# Altium PCB spd150.PcbDoc (part 3 of 15)
Units mil, origin at the board's own origin, x right, y up, seen from the top; angles counter-clockwise.
Board outline 8557 x 5807 mil, 10 copper layers (TOP, LYR2-PLN, LYR3-SIG, LYR4-SIG, LYR5-PLN, LYR6-PLN, LYR7-SIG, LYR8-SIG, LYR9-PLN, BOTTOM), stack 84 mil thick; 1065 components, 972 nets, 4226 pads, 2810 vias.
Unrouted connection lines stored in the file: 16.
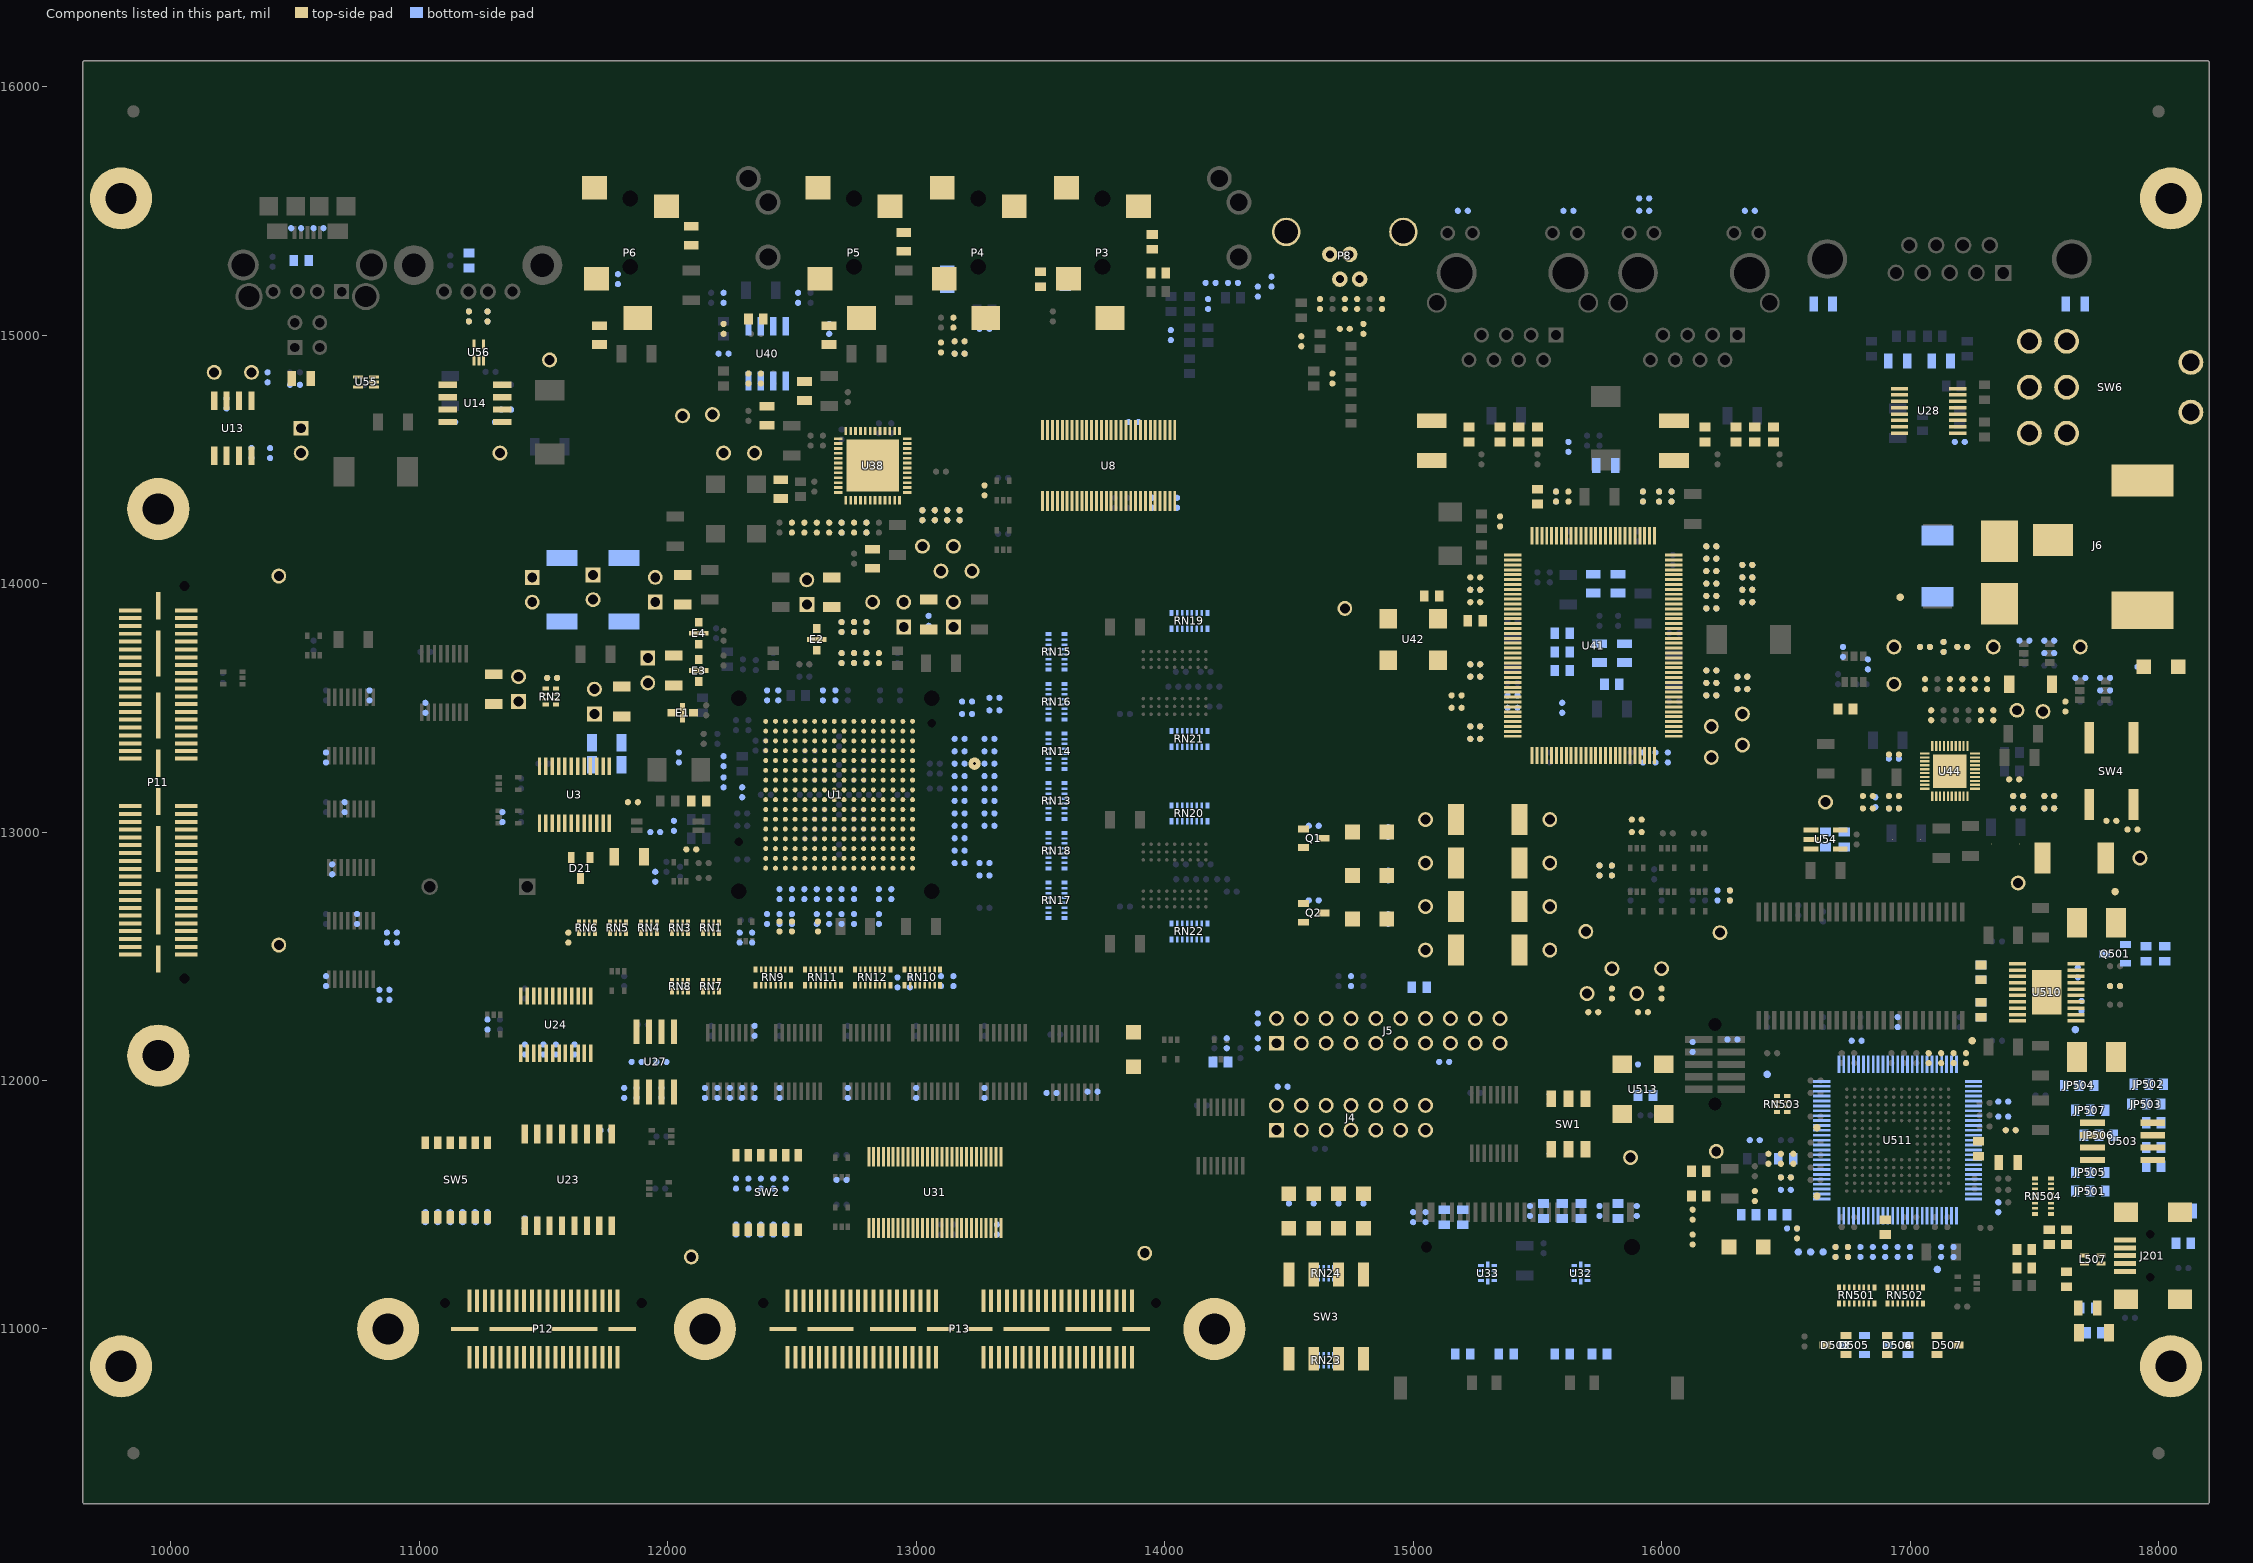
[diagram p11: the components of this part, seen from the top]

## Footprints (in the part's own frame and the unit in brackets; to place one, negate y for a bottom-side part, rotate by r counter-clockwise, add the part's x,y. Pads: shape width x height; smd on the part's side, far side on the other; paste and mask are expansions set on the pad) (continued)
DGG56-12X80 [mil] "DGG56-12X80"
  rrect0% 12x80 smd: 1(-265.7,-143) 2(-246,-143) 3(-226.3,-143) 4(-206.6,-143) 5(-187,-143) 6(-167.3,-143) 7(-147.6,-143) 8(-127.9,-143) 9(-108.2,-143) 10(-88.6,-143) 11(-68.9,-143) 12(-49.2,-143) 13(-29.5,-143) 14(-9.8,-143) 15(9.8,-143) 16(29.5,-143) 17(49.2,-143) 18(68.9,-143) 19(88.6,-143) 20(108.2,-143) 21(127.9,-143) 22(147.6,-143) 23(167.3,-143) 24(187,-143) 25(206.6,-143) 26(226.3,-143) 27(246,-143) 28(265.7,-143) 29(265.7,143) 30(246,143) 31(226.3,143) 32(206.6,143) 33(187,143) 34(167.3,143) 35(147.6,143) 36(127.9,143) 37(108.2,143) 38(88.6,143) 39(68.9,143) 40(49.2,143) 41(29.5,143) 42(9.8,143) 43(-9.8,143) 44(-29.5,143) 45(-49.2,143) 46(-68.9,143) 47(-88.6,143) 48(-108.2,143) 49(-127.9,143) 50(-147.6,143) 51(-167.3,143) 52(-187,143) 53(-206.6,143) 54(-226.3,143) 55(-246,143) 56(-265.7,143)
  silkscreen extent -280,-122 280,122
DO214AA-79X110 [mil] "DO214AA-79X110"
  rect 80x120 smd: 1(-79,0) 2(79,0)
  silkscreen extent -140,-145 140,80
DRL5-12X40 [mil] "DRL5-12X40"
  rect 12x40 smd: 1(-19.7,-32) 2(0,-32) 3(19.7,-32) 4(19.7,32) 5(-19.7,32)
  silkscreen extent -14812,-80 39,10786
EIA1812#1 [mil] "EIA1812"
  rect 120x60 smd: 1(0,-80) 2(0,80)
  TOP keep-out region: -50,40 50,40 50,-40 -50,-40 -50,40 15075,14575
  silkscreen extent -40,-20 40,20
EIA1812#2 [mil] "EIA1812"
  rect 120x60 smd: 1(0,-80) 2(0,80)
  TOP keep-out region: -50,40 50,40 50,-40 -50,-40 -50,40 16050,14575
  silkscreen extent -40,-20 40,20
EMI-36X15-DLW21 [mil] "EMI-36X15-DLW21"
  rect 36x15 smd: 1(-33,16) 2(33,16) 3(33,-16) 4(-33,-16)
  silkscreen extent -60,-35 60,35
EMI-BLM31P-40X70 [mil] "EMI-BLM31P-40X70"
  rect 40x70 smd: 1(60,0) 2(-60,0)
  Multi-Layer keep-out region: 35,-35 -35,-35 -35,35 35,35 35,-35 -11755,13360
  silkscreen extent -15,-30 15,30
EMI-NFM21P [mil] "EMI-NFM21P"
  rect 35x32 smd: 1(-44,0) 3(44,0)
  rect 20x79 smd: 2(0,0)
  silkscreen extent -65,-30 65,30
FB1806-41X70 [mil] "FB1806-41X70"
  rect 41x70 smd: 1(-85.5,0.5) 2(86.5,0.5)
  Multi-Layer keep-out region: -34.5,35.5 35.5,35.5 35.5,-34.5 -34.5,-34.5 -34.5,35.5 -17484.5,-13594.5
  silkscreen extent -90,-32 90,32
FUSEFOLDER-OMNI-BLOK [mil] "FUSEFOLDER-OMNI-BLOK"
  rect 167x150 smd: 1(-126,0) 2(126,0)
  Multi-Layer keep-out region: -35,90 35,90 35,-90 -35,-90 -35,90 14045,-17360
  silkscreen extent -192,-100 192,100
IND_VLCF [mil] "IND_VLCF"
  oct 1x1 smd: 1(-57.5,0) 2(57.5,0)
  silkscreen extent -80,-80 80,80
JUMP1X2-6040 [mil] "JUMP1X2-6040"
  rect 60x60 hole 40: 1(0,50)
  round 60 hole 40: 2(0,-50)
  silkscreen extent -50,-100 50,100
JUMP2X7-6040 [mil] "JUMP2X7-6040"
  rect 60x60 hole 40: 1(-50,300)
  round 60 hole 40: 2(50,300) 3(-50,200) 4(50,200) 5(-50,100) 6(50,100) 7(-50,0) 8(50,0) 9(-50,-100) 10(50,-100) 11(-50,-200) 12(50,-200) 13(-50,-300) 14(50,-300)
  silkscreen extent -100,-350 100,350
JUMP2X10-6040 [mil] "JUMP2X10-6040"
  rect 60x60 hole 40: 1(-50,450)
  round 60 hole 40: 2(50,450) 3(-50,350) 4(50,350) 5(-50,250) 6(50,250) 7(-50,150) 8(50,150) 9(-50,50) 10(50,50) 11(-50,-50) 12(50,-50) 13(-50,-150) 14(50,-150) 15(-50,-250) 16(50,-250) 17(-50,-350) 18(50,-350) 19(-50,-450) 20(50,-450)
  silkscreen extent -100,-500 100,500
JUMP3-603-35X45#1 [mil] "JUMP3-603-35X45"
  rrect0% 35x45 smd: 1(30,0) 2(-30,0) 3(-90,0)
  TOP keep-out region: -50,-20 -70,-20 -70,20 -50,20 -50,-20 -17755,11555
  TOP keep-out region: 10,-20 -10,-20 -10,20 10,20 10,-20 -17755,11555
  Multi-Layer keep-out region: 30,-25 -90,-25 -90,25 30,25 30,-25 -17755,11555
  silkscreen extent -67,-7 7,7
JUMP3-603-35X45#2 [mil] "JUMP3-603-35X45"
  rrect0% 35x45 smd: 1(30,0) 2(-30,0) 3(-90,0)
  TOP keep-out region: -50,-20 -70,-20 -70,20 -50,20 -50,-20 17650,-11980
  TOP keep-out region: 10,-20 -10,-20 -10,20 10,20 10,-20 17650,-11980
  Multi-Layer keep-out region: 30,-25 -90,-25 -90,25 30,25 30,-25 17650,-11980
  silkscreen extent -67,-7 7,7
L603-35X45#1 [mil] "L603-35X45"
  rrect0% 35x45 smd: 1(-30,0) 2(30,0)
  TOP keep-out region: -10,20 10,20 10,-20 -10,-20 -10,20 -16150,-11535
  Multi-Layer keep-out region: -30,25 30,25 30,-25 -30,-25 -30,25 -16150,-11535
  silkscreen extent -7,-7 7,7
L603-35X45#2 [mil] "L603-35X45"
  rrect0% 35x45 smd: 1(30,0) 2(-30,0)
  TOP keep-out region: 10,-20 -10,-20 -10,20 10,20 10,-20 15935,-11940
  Multi-Layer keep-out region: 30,-25 -30,-25 -30,25 30,25 30,-25 15935,-11940
  silkscreen extent -7,-7 7,7
L805-35X60#1 [mil] "L805-35X60"
  rrect0% 35x60 smd: 1(-38,0) 2(38,0)
  TOP keep-out region: -15,25 15,25 15,-25 -15,-25 -15,25 10525,14825
  Multi-Layer keep-out region: -35,30 35,30 35,-30 -35,-30 -35,30 10525,14825
  silkscreen extent -10,-10 10,10
L805-35X60#2 [mil] "L805-35X60"
  rrect0% 35x60 smd: 1(38,0) 2(-38,0)
  TOP keep-out region: 15,-25 -15,-25 -15,25 15,25 15,-25 16650,-15125
  Multi-Layer keep-out region: 35,-30 -35,-30 -35,30 35,30 35,-30 16650,-15125
  silkscreen extent -10,-10 10,10
L805-35X60#3 [mil] "L805-35X60"
  rrect0% 35x60 smd: 1(38,0) 2(-38,0)
  TOP keep-out region: 15,-25 -15,-25 -15,25 15,25 15,-25 16950,-14895
  Multi-Layer keep-out region: 35,-30 -35,-30 -35,30 35,30 35,-30 16950,-14895
  silkscreen extent -10,-10 10,10
L805-35X60#4 [mil] "L805-35X60"
  rrect0% 35x60 smd: 1(38,0) 2(-38,0)
  TOP keep-out region: 15,-25 -15,-25 -15,25 15,25 15,-25 -17125,14895
  Multi-Layer keep-out region: 35,-30 -35,-30 -35,30 35,30 35,-30 -17125,14895
  silkscreen extent -10,-10 10,10
L805-35X60#5 [mil] "L805-35X60"
  rrect0% 35x60 smd: 1(-38,0) 2(38,0)
  TOP keep-out region: -15,25 15,25 15,-25 -15,-25 -15,25 -14100,12825
  Multi-Layer keep-out region: -35,30 35,30 35,-30 -35,-30 -35,30 -14100,12825
  silkscreen extent -10,-10 10,10
L805-35X60#6 [mil] "L805-35X60"
  rrect0% 35x60 smd: 1(-38,0) 2(38,0)
  TOP keep-out region: -15,25 15,25 15,-25 -15,-25 -15,25 14380,-12455
  Multi-Layer keep-out region: -35,30 35,30 35,-30 -35,-30 -35,30 14380,-12455
  silkscreen extent -10,-10 10,10
L805-35X60#7 [mil] "L805-35X60"
  rrect0% 35x60 smd: 1(38,0) 2(-38,0)
  TOP keep-out region: 15,-25 -15,-25 -15,25 15,25 15,-25 14000,15725
  Multi-Layer keep-out region: 35,-30 -35,-30 -35,30 35,30 35,-30 14000,15725
  silkscreen extent -10,-10 10,10
L805-35X60#8 [mil] "L805-35X60"
  rrect0% 35x60 smd: 1(-38,0) 2(38,0)
  TOP keep-out region: -15,25 15,25 15,-25 -15,-25 -15,25 17395,11670
  Multi-Layer keep-out region: -35,30 35,30 35,-30 -35,-30 -35,30 17395,11670
  silkscreen extent -10,-10 10,10
L805-35X60#9 [mil] "L805-35X60"
  rrect0% 35x60 smd: 1(38,0) 2(-38,0)
  TOP keep-out region: 15,-25 -15,-25 -15,25 15,25 15,-25 18100,-11475
  Multi-Layer keep-out region: 35,-30 -35,-30 -35,30 35,30 35,-30 18100,-11475
  silkscreen extent -10,-10 10,10
LED1206-59X59#1 [mil] "LED1206-59X59"
  rect 59x59 smd: 1(-69,0) 2(69,0)
  Multi-Layer keep-out region: -35,35 35,35 35,-35 -35,-35 -35,35 -11475,14500
  silkscreen extent -155,-35 25,35
LED1206-59X59#2 [mil] "LED1206-59X59"
  rect 59x59 smd: 1(-69,0) 2(69,0)
  Multi-Layer keep-out region: -35,35 35,35 35,-35 -35,-35 -35,35 12125,-13875
  silkscreen extent -155,-35 25,35
LED1206-59X59#3 [mil] "LED1206-59X59"
  rect 59x59 smd: 1(-69,0) 2(69,0)
  Multi-Layer keep-out region: -35,35 35,35 35,-35 -35,-35 -35,35 18010,13665
  silkscreen extent -90,-35 25,110
MELF1206-40X70 [mil] "MELF1206-40X70"
  rect 40x70 smd: 1(-60,0) 2(60,0)
  Multi-Layer keep-out region: -35,35 35,35 35,-35 -35,-35 -35,35 17740,10985
  silkscreen extent -25,-25 25,25
MHP125-250 [mil] "MHP125-250"
  round 250 hole 125: 1(0,0)
MOLEX-52018 [mil] "MOLEX-52018"
  round 62 hole 32: 1(-60,216) 2(-20,116) 3(20,216) 4(60,116)
  round 115 hole 95: 5(-236,26) 6(236,26)
  silkscreen extent -240,-256 240,256
OSC4-71X79 [mil] "OSC4-71X79"
  rect 71x79 smd: 1(-100,-83) 2(100,-83) 3(100,83) 4(-100,83)
  TOP keep-out region: -150,100 -50,100 -50,125 50,125 50,100 150,100 150,-100 50,-100 50,-125 -50,-125 -50,-100 -150,-100 -150,100 -15000,-13775
  silkscreen extent -150,-102 150,102
PQFP128REC-12X70 [mil] "PQFP128REC-12X70"
  rrect0% 12x70 smd: 1(-362,-324) 2(-342.3,-324) 3(-322.6,-324) 4(-302.9,-324) 5(-283.2,-324) 6(-263.5,-324) 7(-243.8,-324) 8(-224.1,-324) 9(-204.4,-324) 10(-184.7,-324) 11(-165,-324) 12(-145.3,-324) 13(-125.6,-324) 14(-105.9,-324) 15(-86.2,-324) 16(-66.5,-324) 17(-46.8,-324) 18(-27.1,-324) 19(-7.4,-324) 20(12.4,-324) 21(32.1,-324) 22(51.8,-324) 23(71.5,-324) 24(91.2,-324) 25(110.9,-324) 26(130.6,-324) 27(150.3,-324) 28(170,-324) 29(189.7,-324) 30(209.4,-324) 31(229.1,-324) 32(248.8,-324) 33(268.5,-324) 34(288.2,-324) 35(307.9,-324) 36(327.6,-324) 37(347.3,-324) 38(367,-324) 65(367,324) 66(347.3,324) 67(327.6,324) 68(307.9,324) 69(288.2,324) 70(268.5,324) 71(248.8,324) 72(229.1,324) 73(209.4,324) 74(189.7,324) 75(170,324) 76(150.3,324) 77(130.6,324) 78(110.9,324) 79(91.2,324) 80(71.5,324) 81(51.8,324) 82(32.1,324) 83(12.4,324) 84(-7.4,324) 85(-27.1,324) 86(-46.8,324) 87(-66.5,324) 88(-86.2,324) 89(-105.9,324) 90(-125.6,324) 91(-145.3,324) 92(-165,324) 93(-184.7,324) 94(-204.4,324) 95(-224.1,324) 96(-243.8,324) 97(-263.5,324) 98(-283.2,324) 99(-302.9,324) 100(-322.6,324) 101(-342.3,324) 102(-362,324)
  rrect0% 70x12 smd: 39(444.5,-246.3) 40(444.5,-226.6) 41(444.5,-206.9) 42(444.5,-187.2) 43(444.5,-167.5) 44(444.5,-147.8) 45(444.5,-128.1) 46(444.5,-108.4) 47(444.5,-88.7) 48(444.5,-69) 49(444.5,-49.3) 50(444.5,-29.6) 51(444.5,-9.9) 52(444.5,9.9) 53(444.5,29.6) 54(444.5,49.3) 55(444.5,69) 56(444.5,88.7) 57(444.5,108.4) 58(444.5,128.1) 59(444.5,147.8) 60(444.5,167.5) 61(444.5,187.2) 62(444.5,206.9) 63(444.5,226.6) 64(444.5,246.3) 103(-439.5,246.3) 104(-439.5,226.6) 105(-439.5,206.9) 106(-439.5,187.2) 107(-439.5,167.5) 108(-439.5,147.8) 109(-439.5,128.1) 110(-439.5,108.4) 111(-439.5,88.7) 112(-439.5,69) 113(-439.5,49.3) 114(-439.5,29.6) 115(-439.5,9.9) 116(-439.5,-9.9) 117(-439.5,-29.6) 118(-439.5,-49.3) 119(-439.5,-69) 120(-439.5,-88.7) 121(-439.5,-108.4) 122(-439.5,-128.1) 123(-439.5,-147.8) 124(-439.5,-167.5) 125(-439.5,-187.2) 126(-439.5,-206.9) 127(-439.5,-226.6) 128(-439.5,-246.3)
  silkscreen extent -392,-276 396,276
PW16-14X70 [mil] "PW16-14X70"
  rrect0% 14x70 smd: 1(-89.6,-117.6) 2(-64,-117.6) 3(-38.4,-117.6) 4(-12.8,-117.6) 5(12.8,-117.6) 6(38.4,-117.6) 7(64,-117.6) 8(89.6,-117.6) 9(89.6,117.6) 10(64,117.6) 11(38.4,117.6) 12(12.8,117.6) 13(-12.8,117.6) 14(-38.4,117.6) 15(-64,117.6) 16(-89.6,117.6)
  silkscreen extent -105,-90 105,90
PW24-14X70 [mil] "PW24-14X70"
  rrect0% 14x70 smd: 1(-140.8,-115) 2(-115.2,-115) 3(-89.6,-115) 4(-64,-115) 5(-38.4,-115) 6(-12.8,-115) 7(12.8,-115) 8(38.4,-115) 9(64,-115) 10(89.6,-115) 11(115.2,-115) 12(140.8,-115) 13(140.8,115) 14(115.2,115) 15(89.6,115) 16(64,115) 17(38.4,115) 18(12.8,115) 19(-12.8,115) 20(-38.4,115) 21(-64,115) 22(-89.6,115) 23(-115.2,115) 24(-140.8,115)
  silkscreen extent -160,-90 160,90
PWP20-14X70-PAD [mil] "PWP20-14X70-PAD"
  rrect0% 14x70 smd: 1(-114.7,-117.6) 2(-89.1,-117.6) 3(-63.5,-117.6) 4(-37.9,-117.6) 5(-12.3,-117.6) 6(13.3,-117.6) 7(38.9,-117.6) 8(64.5,-117.6) 9(90.1,-117.6) 10(115.7,-117.6) 11(115.7,117.6) 12(90.1,117.6) 13(64.5,117.6) 14(38.9,117.6) 15(13.3,117.6) 16(-12.3,117.6) 17(-37.9,117.6) 18(-63.5,117.6) 19(-89.1,117.6) 20(-114.7,117.6)
  rect 180x120 smd: 21(0.5,0)
  silkscreen extent -130,-90 130,90
PWR3-RASM712 [mil] "PWR3-RASM712"
  rect 130x160 smd: CENTER(26.5,268)
  rect 150x250 smd: SHUNT(-256.5,-92)
  rect 130x250 smd: SLEEVE(266.5,-92)
  silkscreen extent -178,-358 172,183
QSE_020 [mil] "QSE_020"
  rect 16x90 smd: 1(300.5,110.5) 2(300.5,-115.5) 3(269.5,110.5) 4(269.5,-115.5) 5(237.5,110.5) 6(237.5,-115.5) 7(206.5,110.5) 8(206.5,-115.5) 9(174.5,110.5) 10(174.5,-115.5) 11(143.5,110.5) 12(143.5,-115.5) 13(111.5,110.5) 14(111.5,-115.5) 15(80.5,110.5) 16(80.5,-115.5) 17(48.5,110.5) 18(48.5,-115.5) 19(17.5,110.5) 20(17.5,-115.5) 21(-13.5,110.5) 22(-13.5,-115.5) 23(-45.5,110.5) 24(-45.5,-115.5) 25(-76.5,110.5) 26(-76.5,-115.5) 27(-108.5,110.5) 28(-108.5,-115.5) 29(-139.5,110.5) 30(-139.5,-115.5) 31(-171.5,110.5) 32(-171.5,-115.5) 33(-202.5,110.5) 34(-202.5,-115.5) 35(-234.5,110.5) 36(-234.5,-115.5) 37(-265.5,110.5) 38(-265.5,-115.5) 39(-296.5,110.5) 40(-296.5,-115.5)
  rect 110x17 smd: 41(-314.5,-2.5) 44(319.5,-2.5)
  rect 185x17 smd: 42(-122.5,-2.5) 43(127.5,-2.5)
  round 20 / inner round 80 / far side round 20 hole 41: " "(-393.5,-107.5) " "(398.5,-107.5)
  silkscreen extent -418,-148 422,143
QSE_040 [mil] "QSE_040"
  rect 16x90 smd: 1(694.5,110.5) 2(694.5,-115.5) 3(663.5,110.5) 4(663.5,-115.5) 5(631.5,110.5) 6(631.5,-115.5) 7(600.5,110.5) 8(600.5,-115.5) 9(568.5,110.5) 10(568.5,-115.5) 11(537.5,110.5) 12(537.5,-115.5) 13(505.5,110.5) 14(505.5,-115.5) 15(474.5,110.5) 16(474.5,-115.5) 17(442.5,110.5) 18(442.5,-115.5) 19(411.5,110.5) 20(411.5,-115.5) 21(380.5,110.5) 22(380.5,-115.5) 23(348.5,110.5) 24(348.5,-115.5) 25(317.5,110.5) 26(317.5,-115.5) 27(285.5,110.5) 28(285.5,-115.5) 29(254.5,110.5) 30(254.5,-115.5) 31(222.5,110.5) 32(222.5,-115.5) 33(191.5,110.5) 34(191.5,-115.5) 35(159.5,110.5) 36(159.5,-115.5) 37(128.5,110.5) 38(128.5,-115.5) 39(97.5,110.5) 40(97.5,-115.5) 41(-93.5,110.5) 42(-93.5,-115.5) 43(-124.5,110.5) 44(-124.5,-115.5) 45(-156.5,110.5) 46(-156.5,-115.5) 47(-187.5,110.5) 48(-187.5,-115.5) 49(-219.5,110.5) 50(-219.5,-115.5) 51(-250.5,110.5) 52(-250.5,-115.5) 53(-282.5,110.5) 54(-282.5,-115.5) 55(-313.5,110.5) 56(-313.5,-115.5) 57(-345.5,110.5) 58(-345.5,-115.5) 59(-376.5,110.5) 60(-376.5,-115.5) 61(-407.5,110.5) 62(-407.5,-115.5) 63(-439.5,110.5) 64(-439.5,-115.5) 65(-470.5,110.5) 66(-470.5,-115.5) 67(-502.5,110.5) 68(-502.5,-115.5) 69(-533.5,110.5) 70(-533.5,-115.5) 71(-565.5,110.5) 72(-565.5,-115.5) 73(-596.5,110.5) 74(-596.5,-115.5) 75(-628.5,110.5) 76(-628.5,-115.5) 77(-659.5,110.5) 78(-659.5,-115.5) 79(-690.5,110.5) 80(-690.5,-115.5)
  rect 110x17 smd: 81(-708.5,-2.5) 84(-74.5,-2.5) 85(79.5,-2.5) 88(713.5,-2.5)
  rect 185x17 smd: 82(-516.5,-2.5) 83(-266.5,-2.5) 86(271.5,-2.5) 87(521.5,-2.5)
  round 20 / inner round 75 / far side round 20 hole 41: 89(792.5,-107.5) 90(-787.5,-107.5)
  silkscreen extent -810,-145 814,140
R402-25#1 [mil] "R402-25"
  round 25 smd: 1(-20,0) 2(20,0)
  TOP keep-out region: -5,-10 -5,10 5,10 5,-10 -5,-10 -11860,-13120
  silkscreen extent -4,-4 4,4
R402-25#2 [mil] "R402-25"
  round 25 smd: 1(20,0) 2(-20,0)
  TOP keep-out region: 5,10 5,-10 -5,-10 -5,10 5,10 -11535,13620
  silkscreen extent -4,-4 4,4
R402-25#3 [mil] "R402-25"
  round 25 smd: 1(-20,0) 2(20,0)
  TOP keep-out region: -5,-10 -5,10 5,10 5,-10 -5,-10 13825,-12800
  silkscreen extent -4,-4 4,4
R402-25#4 [mil] "R402-25"
  round 25 smd: 1(-20,0) 2(20,0)
  TOP keep-out region: -5,-10 -5,10 5,10 5,-10 -5,-10 13700,-12750
  silkscreen extent -4,-4 4,4
R402-25#5 [mil] "R402-25"
  round 25 smd: 1(20,0) 2(-20,0)
  TOP keep-out region: 5,10 5,-10 -5,-10 -5,10 5,10 13500,11025
  silkscreen extent -4,-4 4,4
R402-25#6 [mil] "R402-25"
  round 25 smd: 1(20,0) 2(-20,0)
  TOP keep-out region: 5,10 5,-10 -5,-10 -5,10 5,10 14325,14050
  silkscreen extent -4,-4 4,4
R402-25#7 [mil] "R402-25"
  round 25 smd: 1(20,0) 2(-20,0)
  TOP keep-out region: 5,10 5,-10 -5,-10 -5,10 5,10 12650,12600
  silkscreen extent -4,-4 4,4
R402-25#8 [mil] "R402-25"
  round 25 smd: 1(20,0) 2(-20,0)
  TOP keep-out region: 5,10 5,-10 -5,-10 -5,10 5,10 12750,12600
  silkscreen extent -4,-4 4,4
R402-25#9 [mil] "R402-25"
  round 25 smd: 1(-20,0) 2(20,0)
  TOP keep-out region: -5,-10 -5,10 5,10 5,-10 -5,-10 12620,-12605
  silkscreen extent -4,-4 4,4
R402-25#10 [mil] "R402-25"
  round 25 smd: 1(20,0) 2(-20,0)
  TOP keep-out region: 5,10 5,-10 -5,-10 -5,10 5,10 13550,12625
  silkscreen extent -4,-4 4,4
R402-25#11 [mil] "R402-25"
  round 25 smd: 1(20,0) 2(-20,0)
  TOP keep-out region: 5,10 5,-10 -5,-10 -5,10 5,10 10890,-12595
  silkscreen extent -4,-4 4,4
R402-25#12 [mil] "R402-25"
  round 25 smd: 1(20,0) 2(-20,0)
  TOP keep-out region: 5,10 5,-10 -5,-10 -5,10 5,10 10860,-12365
  silkscreen extent -4,-4 4,4
R402-25#13 [mil] "R402-25"
  round 25 smd: 1(20,0) 2(-20,0)
  TOP keep-out region: 5,10 5,-10 -5,-10 -5,10 5,10 13300,10625
  silkscreen extent -4,-4 4,4
R402-25#14 [mil] "R402-25"
  round 25 smd: 1(20,0) 2(-20,0)
  TOP keep-out region: 5,10 5,-10 -5,-10 -5,10 5,10 11950,12150
  silkscreen extent -4,-4 4,4
R402-25#15 [mil] "R402-25"
  round 25 smd: 1(20,0) 2(-20,0)
  TOP keep-out region: 5,10 5,-10 -5,-10 -5,10 5,10 12400,10625
  silkscreen extent -4,-4 4,4
R402-25#16 [mil] "R402-25"
  round 25 smd: 1(20,0) 2(-20,0)
  TOP keep-out region: 5,10 5,-10 -5,-10 -5,10 5,10 12850,10650
  silkscreen extent -4,-4 4,4
R402-25#17 [mil] "R402-25"
  round 25 smd: 1(20,0) 2(-20,0)
  TOP keep-out region: 5,10 5,-10 -5,-10 -5,10 5,10 10500,-14800
  silkscreen extent -4,-4 4,4
R402-25#18 [mil] "R402-25"
  round 25 smd: 1(20,0) 2(-20,0)
  TOP keep-out region: 5,10 5,-10 -5,-10 -5,10 5,10 14830,10390
  silkscreen extent -4,-4 4,4
R402-25#19 [mil] "R402-25"
  round 25 smd: 1(20,0) 2(-20,0)
  TOP keep-out region: 5,10 5,-10 -5,-10 -5,10 5,10 14525,10325
  silkscreen extent -4,-4 4,4
R402-25#20 [mil] "R402-25"
  round 25 smd: 1(20,0) 2(-20,0)
  TOP keep-out region: 5,10 5,-10 -5,-10 -5,10 5,10 11350,-14700
  silkscreen extent -4,-4 4,4
R402-25#21 [mil] "R402-25"
  round 25 smd: 1(20,0) 2(-20,0)
  TOP keep-out region: 5,10 5,-10 -5,-10 -5,10 5,10 11325,-14650
  silkscreen extent -4,-4 4,4
R402-25#22 [mil] "R402-25"
  round 25 smd: 1(20,0) 2(-20,0)
  TOP keep-out region: 5,10 5,-10 -5,-10 -5,10 5,10 12575,12340
  silkscreen extent -4,-4 4,4
R402-25#23 [mil] "R402-25"
  round 25 smd: 1(20,0) 2(-20,0)
  TOP keep-out region: 5,10 5,-10 -5,-10 -5,10 5,10 13175,-12975
  silkscreen extent -4,-4 4,4
R402-25#24 [mil] "R402-25"
  round 25 smd: 1(20,0) 2(-20,0)
  TOP keep-out region: 5,10 5,-10 -5,-10 -5,10 5,10 13275,-12875
  silkscreen extent -4,-4 4,4
R402-25#25 [mil] "R402-25"
  round 25 smd: 1(-20,0) 2(20,0)
  TOP keep-out region: -5,-10 -5,10 5,10 5,-10 -5,-10 12745,-16275
  silkscreen extent -4,-4 4,4
R402-25#26 [mil] "R402-25"
  round 25 smd: 1(20,0) 2(-20,0)
  TOP keep-out region: 5,10 5,-10 -5,-10 -5,10 5,10 11925,15550
  silkscreen extent -4,-4 4,4
R402-25#27 [mil] "R402-25"
  round 25 smd: 1(-20,0) 2(20,0)
  TOP keep-out region: -5,-10 -5,10 5,10 5,-10 -5,-10 12095,12930
  silkscreen extent -4,-4 4,4
R402-25#28 [mil] "R402-25"
  round 25 smd: 1(20,0) 2(-20,0)
  TOP keep-out region: 5,10 5,-10 -5,-10 -5,10 5,10 11725,15700
  silkscreen extent -4,-4 4,4
R402-25#29 [mil] "R402-25"
  round 25 smd: 1(20,0) 2(-20,0)
  TOP keep-out region: 5,10 5,-10 -5,-10 -5,10 5,10 11585,12475
  silkscreen extent -4,-4 4,4
R402-25#30 [mil] "R402-25"
  round 25 smd: 1(20,0) 2(-20,0)
  TOP keep-out region: 5,10 5,-10 -5,-10 -5,10 5,10 11400,12475
  silkscreen extent -4,-4 4,4
R402-25#31 [mil] "R402-25"
  round 25 smd: 1(20,0) 2(-20,0)
  TOP keep-out region: 5,10 5,-10 -5,-10 -5,10 5,10 11750,-11800
  silkscreen extent -4,-4 4,4
R402-25#32 [mil] "R402-25"
  round 25 smd: 1(20,0) 2(-20,0)
  TOP keep-out region: 5,10 5,-10 -5,-10 -5,10 5,10 12125,11425
  silkscreen extent -4,-4 4,4
R402-25#33 [mil] "R402-25"
  round 25 smd: 1(20,0) 2(-20,0)
  TOP keep-out region: 5,10 5,-10 -5,-10 -5,10 5,10 11525,14500
  silkscreen extent -4,-4 4,4
R402-25#34 [mil] "R402-25"
  round 25 smd: 1(-20,0) 2(20,0)
  TOP keep-out region: -5,-10 -5,10 5,10 5,-10 -5,-10 11360,-16125
  silkscreen extent -4,-4 4,4
R402-25#35 [mil] "R402-25"
  round 25 smd: 1(20,0) 2(-20,0)
  TOP keep-out region: 5,10 5,-10 -5,-10 -5,10 5,10 17200,-14570
  silkscreen extent -4,-4 4,4
R402-25#36 [mil] "R402-25"
  round 25 smd: 1(20,0) 2(-20,0)
  TOP keep-out region: 5,10 5,-10 -5,-10 -5,10 5,10 12700,-11600
  silkscreen extent -4,-4 4,4
R402-25#37 [mil] "R402-25"
  round 25 smd: 1(20,0) 2(-20,0)
  TOP keep-out region: 5,10 5,-10 -5,-10 -5,10 5,10 13710,-11955
  silkscreen extent -4,-4 4,4
R402-25#38 [mil] "R402-25"
  round 25 smd: 1(20,0) 2(-20,0)
  TOP keep-out region: 5,10 5,-10 -5,-10 -5,10 5,10 11475,15900
  silkscreen extent -4,-4 4,4

## Text inside footprints (layer, text, board x,y; h text height)
TP40: PIN_NUMBER "1" at 12164,14680 h40; SYMB_DIM "PAD 60X40RD" at 12280,14755 h40; SYMB_DIM "SM  68X48RD" at 12280,14580 h40; SYMB_DIM "TP1-60X40" at 12280,14880 h40
TP41: PIN_NUMBER "1" at 10419,14030 h40; SYMB_DIM "PAD 60X40RD" at 10535,14105 h40; SYMB_DIM "SM  68X48RD" at 10535,13930 h40; SYMB_DIM "TP1-60X40" at 10535,14230 h40
TP42: PIN_NUMBER "1" at 10419,12545 h40; SYMB_DIM "PAD 60X40RD" at 10535,12620 h40; SYMB_DIM "SM  68X48RD" at 10535,12445 h40; SYMB_DIM "TP1-60X40" at 10535,12745 h40
TP43: PIN_NUMBER "1" at 12079,11290 h40; SYMB_DIM "PAD 60X40RD" at 12195,11365 h40; SYMB_DIM "SM  68X48RD" at 12195,11190 h40; SYMB_DIM "TP1-60X40" at 12195,11490 h40
TP44: PIN_NUMBER "1" at 13904,11305 h40; SYMB_DIM "PAD 60X40RD" at 14020,11380 h40; SYMB_DIM "SM  68X48RD" at 14020,11205 h40; SYMB_DIM "TP1-60X40" at 14020,11505 h40
TP45: PIN_NUMBER "1" at 15859,11690 h40; SYMB_DIM "PAD 60X40RD" at 15975,11765 h40; SYMB_DIM "SM  68X48RD" at 15975,11590 h40; SYMB_DIM "TP1-60X40" at 15975,11890 h40
TP46: PIN_NUMBER "1" at 14709,13900 h40; SYMB_DIM "PAD 60X40RD" at 14825,13975 h40; SYMB_DIM "SM  68X48RD" at 14825,13800 h40; SYMB_DIM "TP1-60X40" at 14825,14100 h40
TP47: PIN_NUMBER "1" at 16219,12595 h40; SYMB_DIM "PAD 60X40RD" at 16335,12670 h40; SYMB_DIM "SM  68X48RD" at 16335,12495 h40; SYMB_DIM "TP1-60X40" at 16335,12795 h40
TP48: PIN_NUMBER "1" at 15679,12600 h40; SYMB_DIM "PAD 60X40RD" at 15795,12675 h40; SYMB_DIM "SM  68X48RD" at 15795,12500 h40; SYMB_DIM "TP1-60X40" at 15795,12800 h40
TP507: PIN_NUMBER "1" at 17094,11240 h40 r180; ASSEMBLY_BOTTOM "NO-POP" at 17110,11240 h25 r180; ASSEMBLY_BOTTOM "TOLERANCE" at 17110,11340 h25 r180; ASSEMBLY_BOTTOM "USERPART#" at 17110,11390 h25 r180; SYMBOL_PART_DIM "PAD 38RD" at 17110,11390 h25 r180
TP508: PIN_NUMBER "1" at 17234,12160 h40 r180; ASSEMBLY_TOP "NO-POP" at 17250,12160 h25 r180; ASSEMBLY_TOP "TOLERANCE" at 17250,12260 h25 r180; ASSEMBLY_TOP "USERPART#" at 17250,12310 h25 r180; SYMBOL_PART_DIM "PAD 38RD" at 17250,12310 h25 r180
TP513: PIN_NUMBER "1" at 16409,12025 h40 r270; ASSEMBLY_BOTTOM "NO-POP" at 16425,12025 h25 r270; ASSEMBLY_BOTTOM "TOLERANCE" at 16325,12025 h25 r270; ASSEMBLY_BOTTOM "USERPART#" at 16275,12025 h25 r270; SYMBOL_PART_DIM "PAD 38RD" at 16275,12025 h25 r270
TP514: PIN_NUMBER "1" at 16609,11810 h40 r180; ASSEMBLY_TOP "NO-POP" at 16625,11810 h25 r180; ASSEMBLY_TOP "TOLERANCE" at 16625,11910 h25 r180; ASSEMBLY_TOP "USERPART#" at 16625,11960 h25 r180; SYMBOL_PART_DIM "PAD 38RD" at 16625,11960 h25 r180
TP515: PIN_NUMBER "1" at 17809,12760 h40 r180; ASSEMBLY_TOP "NO-POP" at 17825,12760 h25 r180; ASSEMBLY_TOP "TOLERANCE" at 17825,12860 h25 r180; ASSEMBLY_TOP "USERPART#" at 17825,12910 h25 r180; SYMBOL_PART_DIM "PAD 38RD" at 17825,12910 h25 r180
TP516: PIN_NUMBER "1" at 17649,12205 h40 r270; ASSEMBLY_BOTTOM "NO-POP" at 17665,12205 h25 r270; ASSEMBLY_BOTTOM "TOLERANCE" at 17565,12205 h25 r270; ASSEMBLY_BOTTOM "USERPART#" at 17515,12205 h25 r270; SYMBOL_PART_DIM "PAD 38RD" at 17515,12205 h25 r270
TP517: PIN_NUMBER "1" at 16204,11715 h40 r180; SYMB_DIM "PAD 60X40RD" at 16120,11640 h40 r180; SYMB_DIM "SM  68X48RD" at 16120,11815 h40 r180; SYMB_DIM "TP1-60X40" at 16120,11515 h40 r180
TP518: PIN_NUMBER "1" at 16584,11310 h40 r180; ASSEMBLY_BOTTOM "NO-POP" at 16600,11310 h25 r180; ASSEMBLY_BOTTOM "TOLERANCE" at 16600,11410 h25 r180; ASSEMBLY_BOTTOM "USERPART#" at 16600,11460 h25 r180; SYMBOL_PART_DIM "PAD 38RD" at 16600,11460 h25 r180
TP519: PIN_NUMBER "1" at 16634,11310 h40 r180; ASSEMBLY_BOTTOM "NO-POP" at 16650,11310 h25 r180; ASSEMBLY_BOTTOM "TOLERANCE" at 16650,11410 h25 r180; ASSEMBLY_BOTTOM "USERPART#" at 16650,11460 h25 r180; SYMBOL_PART_DIM "PAD 38RD" at 16650,11460 h25 r180
TP520: PIN_NUMBER "1" at 16609,11535 h40 r180; ASSEMBLY_TOP "NO-POP" at 16625,11535 h25 r180; ASSEMBLY_TOP "TOLERANCE" at 16625,11635 h25 r180; ASSEMBLY_TOP "USERPART#" at 16625,11685 h25 r180; SYMBOL_PART_DIM "PAD 38RD" at 16625,11685 h25 r180
TP521: PIN_NUMBER "1" at 16534,11310 h40 r270; ASSEMBLY_BOTTOM "NO-POP" at 16550,11310 h25 r270; ASSEMBLY_BOTTOM "TOLERANCE" at 16450,11310 h25 r270; ASSEMBLY_BOTTOM "USERPART#" at 16400,11310 h25 r270; SYMBOL_PART_DIM "PAD 38RD" at 16400,11310 h25 r270
U1: PIN_NUMBER "N2" at 12426,12972.7 h10 r270; PIN_NUMBER "A15" at 12934.2,13445.5 h10 r270; PIN_NUMBER "A16" at 12973.6,13445.5 h10 r270; PIN_NUMBER "B2" at 12426,13406.1 h10 r270; PIN_NUMBER "A1" at 12386.6,13445.5 h10 r270; PIN_NUMBER "A2" at 12426,13445.5 h10 r270; PIN_NUMBER "F8" at 12662.4,13248.5 h10 r270; PIN_NUMBER "E11" at 12776.6,13287.9 h10 r270; PIN_NUMBER "E10" at 12737.2,13287.9 h10 r270; PIN_NUMBER "F10" at 12737.2,13248.5 h10 r270; PIN_NUMBER "F9" at 12701.8,13248.5 h10 r270; PIN_NUMBER "G8" at 12662.4,13209.1 h10 r270; PIN_NUMBER "G9" at 12701.8,13209.1 h10 r270; PIN_NUMBER "E7" at 12623,13287.9 h10 r270; PIN_NUMBER "E6" at 12583.6,13287.9 h10 r270; PIN_NUMBER "H8" at 12662.4,13169.7 h10 r270; PIN_NUMBER "H9" at 12701.8,13169.7 h10 r270; PIN_NUMBER "K8" at 12662.4,13090.9 h10 r270; PIN_NUMBER "J8" at 12662.4,13130.3 h10 r270; PIN_NUMBER "L10" at 12737.2,13051.5 h10 r270; PIN_NUMBER "M10" at 12737.2,13012.1 h10 r270; PIN_NUMBER "L9" at 12701.8,13051.5 h10 r270; PIN_NUMBER "M11" at 12776.6,13012.1 h10 r270; PIN_NUMBER "J9" at 12701.8,13130.3 h10 r270; PIN_NUMBER "K9" at 12701.8,13090.9 h10 r270; PIN_NUMBER "M7" at 12623,13012.1 h10 r270; PIN_NUMBER "L7" at 12623,13051.5 h10 r270; PIN_NUMBER "M6" at 12583.6,13012.1 h10 r270; PIN_NUMBER "L8" at 12662.4,13051.5 h10 r270; PIN_NUMBER "T15" at 12934.2,12854.5 h10 r270; PIN_NUMBER "T16" at 12973.6,12854.5 h10 r270; PIN_NUMBER "T1" at 12386.6,12854.5 h10 r270; PIN_NUMBER "T2" at 12426,12854.5 h10 r270; PIN_NUMBER "M2" at 12426,13012.1 h10 r270; PIN_NUMBER "L3" at 12465.4,13051.5 h10 r270; PIN_NUMBER "D4" at 12504.8,13327.3 h10 r270; PIN_NUMBER "A7" at 12623,13445.5 h10 r270; PIN_NUMBER "C5" at 12544.2,13366.7 h10 r270; PIN_NUMBER "P2" at 12426,12933.3 h10 r270; PIN_NUMBER "N6" at 12583.6,12972.7 h10 r270; PIN_NUMBER "M1" at 12386.6,13012.1 h10 r270; PIN_NUMBER "L2" at 12426,13051.5 h10 r270; PIN_NUMBER "T7" at 12623,12854.5 h10 r270; PIN_NUMBER "L16" at 12973.6,13051.5 h10 r270; PIN_NUMBER "C7" at 12623,13366.7 h10 r270; PIN_NUMBER "N12" at 12816,12972.7 h10 r270; PIN_NUMBER "B5" at 12544.2,13406.1 h10 r270; PIN_NUMBER "B6" at 12583.6,13406.1 h10 r270; PIN_NUMBER "B3" at 12465.4,13406.1 h10 r270; PIN_NUMBER "A3" at 12465.4,13445.5 h10 r270; PIN_NUMBER "N10" at 12737.2,12972.7 h10 r270; PIN_NUMBER "T14" at 12894.8,12854.5 h10 r270; PIN_NUMBER "P11" at 12776.6,12933.3 h10 r270; PIN_NUMBER "N7" at 12623,12972.7 h10 r270; PIN_NUMBER "L1" at 12386.6,13051.5 h10 r270; PIN_NUMBER "R14" at 12894.8,12893.9 h10 r270; PIN_NUMBER "B7" at 12623,13406.1 h10 r270; PIN_NUMBER "C8" at 12662.4,13366.7 h10 r270; PIN_NUMBER "N1" at 12386.6,12972.7 h10 r270; PIN_NUMBER "P12" at 12816,12933.3 h10 r270; PIN_NUMBER "N3" at 12465.4,12972.7 h10 r270; PIN_NUMBER "T13" at 12855.4,12854.5 h10 r270; PIN_NUMBER "B4" at 12504.8,13406.1 h10 r270; PIN_NUMBER "R15" at 12934.2,12893.9 h10 r270; PIN_NUMBER "H12" at 12816,13169.7 h10 r270; PIN_NUMBER "H6" at 12583.6,13169.7 h10 r270; PIN_NUMBER "R13" at 12855.4,12893.9 h10 r270; PIN_NUMBER "N8" at 12662.4,12972.7 h10 r270; PIN_NUMBER "T3" at 12465.4,12854.5 h10 r270; PIN_NUMBER "M14" at 12894.8,13012.1 h10 r270; PIN_NUMBER "M3" at 12465.4,13012.1 h10 r270; PIN_NUMBER "P15" at 12934.2,12933.3 h10 r270; PIN_NUMBER "K3" at 12465.4,13090.9 h10 r270; PIN_NUMBER "A5" at 12544.2,13445.5 h10 r270; PIN_NUMBER "P13" at 12855.4,12933.3 h10 r270; PIN_NUMBER "N15" at 12934.2,12972.7 h10 r270; PIN_NUMBER "A4" at 12504.8,13445.5 h10 r270; PIN_NUMBER "N13" at 12855.4,12972.7 h10 r270; PIN_NUMBER "M15" at 12934.2,13012.1 h10 r270; PIN_NUMBER "N11" at 12776.6,12972.7 h10 r270; PIN_NUMBER "R9" at 12701.8,12893.9 h10 r270; PIN_NUMBER "T9" at 12701.8,12854.5 h10 r270; PIN_NUMBER "R10" at 12737.2,12893.9 h10 r270; PIN_NUMBER "N9" at 12701.8,12972.7 h10 r270; PIN_NUMBER "P9" at 12701.8,12933.3 h10 r270; PIN_NUMBER "T10" at 12737.2,12854.5 h10 r270; PIN_NUMBER "T12" at 12816,12854.5 h10 r270; PIN_NUMBER "P8" at 12662.4,12933.3 h10 r270; PIN_NUMBER "M13" at 12855.4,13012.1 h10 r270; PIN_NUMBER "R8" at 12662.4,12893.9 h10 r270; PIN_NUMBER "F7" at 12623,13248.5 h10 r270; PIN_NUMBER "P16" at 12973.6,12933.3 h10 r270; PIN_NUMBER "B16" at 12973.6,13406.1 h10 r270; PIN_NUMBER "E8" at 12662.4,13287.9 h10 r270; PIN_NUMBER "E9" at 12701.8,13287.9 h10 r270; PIN_NUMBER "F11" at 12776.6,13248.5 h10 r270; PIN_NUMBER "E12" at 12816,13287.9 h10 r270; PIN_NUMBER "G12" at 12816,13209.1 h10 r270; PIN_NUMBER "F12" at 12816,13248.5 h10 r270; PIN_NUMBER "E5" at 12544.2,13287.9 h10 r270; PIN_NUMBER "F5" at 12544.2,13248.5 h10 r270; PIN_NUMBER "G5" at 12544.2,13209.1 h10 r270; PIN_NUMBER "M8" at 12662.4,13012.1 h10 r270; PIN_NUMBER "M9" at 12701.8,13012.1 h10 r270; PIN_NUMBER "M12" at 12816,13012.1 h10 r270; PIN_NUMBER "L11" at 12776.6,13051.5 h10 r270; PIN_NUMBER "L12" at 12816,13051.5 h10 r270; PIN_NUMBER "K12" at 12816,13090.9 h10 r270; PIN_NUMBER "M5" at 12544.2,13012.1 h10 r270; PIN_NUMBER "K5" at 12544.2,13090.9 h10 r270; PIN_NUMBER "L5" at 12544.2,13051.5 h10 r270; PIN_NUMBER "R16" at 12973.6,12893.9 h10 r270; PIN_NUMBER "R1" at 12386.6,12893.9 h10 r270; PIN_NUMBER "P14" at 12894.8,12933.3 h10 r270; PIN_NUMBER "N16" at 12973.6,12972.7 h10 r270; PIN_NUMBER "D1" at 12386.6,13327.3 h10 r270; PIN_NUMBER "H10" at 12737.2,13169.7 h10 r270; PIN_NUMBER "H11" at 12776.6,13169.7 h10 r270; PIN_NUMBER "G11" at 12776.6,13209.1 h10 r270; PIN_NUMBER "G10" at 12737.2,13209.1 h10 r270; PIN_NUMBER "L6" at 12583.6,13051.5 h10 r270; PIN_NUMBER "K6" at 12583.6,13090.9 h10 r270; PIN_NUMBER "J6" at 12583.6,13130.3 h10 r270; PIN_NUMBER "K11" at 12776.6,13090.9 h10 r270; PIN_NUMBER "K10" at 12737.2,13090.9 h10 r270; PIN_NUMBER "J11" at 12776.6,13130.3 h10 r270; PIN_NUMBER "J12" at 12816,13130.3 h10 r270; PIN_NUMBER "J10" at 12737.2,13130.3 h10 r270; PIN_NUMBER "J7" at 12623,13130.3 h10 r270; PIN_NUMBER "K7" at 12623,13090.9 h10 r270; PIN_NUMBER "H7" at 12623,13169.7 h10 r270; PIN_NUMBER "G6" at 12583.6,13209.1 h10 r270; PIN_NUMBER "G7" at 12623,13209.1 h10 r270; PIN_NUMBER "F6" at 12583.6,13248.5 h10 r270; PIN_NUMBER "R12" at 12816,12893.9 h10 r270; PIN_NUMBER "N14" at 12894.8,12972.7 h10 r270; PIN_NUMBER "M16" at 12973.6,13012.1 h10 r270; PIN_NUMBER "E2" at 12426,13287.9 h10 r270; PIN_NUMBER "F1" at 12386.6,13248.5 h10 r270; PIN_NUMBER "K1" at 12386.6,13090.9 h10 r270; PIN_NUMBER "G3" at 12465.4,13209.1 h10 r270; PIN_NUMBER "J3" at 12465.4,13130.3 h10 r270; PIN_NUMBER "J2" at 12426,13130.3 h10 r270; PIN_NUMBER "R7" at 12623,12893.9 h10 r270; PIN_NUMBER "J1" at 12386.6,13130.3 h10 r270; PIN_NUMBER "H2" at 12426,13169.7 h10 r270; PIN_NUMBER "G2" at 12426,13209.1 h10 r270; PIN_NUMBER "C1" at 12386.6,13366.7 h10 r270; PIN_NUMBER "F2" at 12426,13248.5 h10 r270; PIN_NUMBER "C2" at 12426,13366.7 h10 r270; PIN_NUMBER "H1" at 12386.6,13169.7 h10 r270; PIN_NUMBER "B1" at 12386.6,13406.1 h10 r270; PIN_NUMBER "H3" at 12465.4,13169.7 h10 r270; PIN_NUMBER "C3" at 12465.4,13366.7 h10 r270; PIN_NUMBER "J5" at 12544.2,13130.3 h10 r270; PIN_NUMBER "D2" at 12426,13327.3 h10 r270; PIN_NUMBER "J4" at 12504.8,13130.3 h10 r270; PIN_NUMBER "E3" at 12465.4,13287.9 h10 r270; PIN_NUMBER "E4" at 12504.8,13287.9 h10 r270; PIN_NUMBER "H5" at 12544.2,13169.7 h10 r270; PIN_NUMBER "D3" at 12465.4,13327.3 h10 r270; PIN_NUMBER "F16" at 12973.6,13248.5 h10 r270; PIN_NUMBER "G14" at 12894.8,13209.1 h10 r270; PIN_NUMBER "G13" at 12855.4,13209.1 h10 r270; PIN_NUMBER "G16" at 12973.6,13209.1 h10 r270; PIN_NUMBER "P3" at 12465.4,12933.3 h10 r270; PIN_NUMBER "H13" at 12855.4,13169.7 h10 r270; PIN_NUMBER "R5" at 12544.2,12893.9 h10 r270; PIN_NUMBER "H16" at 12973.6,13169.7 h10 r270; PIN_NUMBER "J13" at 12855.4,13130.3 h10 r270; PIN_NUMBER "R6" at 12583.6,12893.9 h10 r270; PIN_NUMBER "P4" at 12504.8,12933.3 h10 r270; PIN_NUMBER "J15" at 12934.2,13130.3 h10 r270; PIN_NUMBER "P6" at 12583.6,12933.3 h10 r270; PIN_NUMBER "C6" at 12583.6,13366.7 h10 r270; PIN_NUMBER "J16" at 12973.6,13130.3 h10 r270; PIN_NUMBER "N4" at 12504.8,12972.7 h10 r270; PIN_NUMBER "F4" at 12504.8,13248.5 h10 r270; PIN_NUMBER "G4" at 12504.8,13209.1 h10 r270; PIN_NUMBER "H14" at 12894.8,13169.7 h10 r270; PIN_NUMBER "G15" at 12934.2,13209.1 h10 r270; PIN_NUMBER "C16" at 12973.6,13366.7 h10 r270; PIN_NUMBER "T6" at 12583.6,12854.5 h10 r270; PIN_NUMBER "N5" at 12544.2,12972.7 h10 r270; PIN_NUMBER "K15" at 12934.2,13090.9 h10 r270; PIN_NUMBER "D13" at 12855.4,13327.3 h10 r270; PIN_NUMBER "C15" at 12934.2,13366.7 h10 r270; PIN_NUMBER "B13" at 12855.4,13406.1 h10 r270; PIN_NUMBER "D6" at 12583.6,13327.3 h10 r270; PIN_NUMBER "A12" at 12816,13445.5 h10 r270; PIN_NUMBER "D14" at 12894.8,13327.3 h10 r270; PIN_NUMBER "K14" at 12894.8,13090.9 h10 r270; PIN_NUMBER "R4" at 12504.8,12893.9 h10 r270; PIN_NUMBER "B9" at 12701.8,13406.1 h10 r270; PIN_NUMBER "D15" at 12934.2,13327.3 h10 r270; PIN_NUMBER "P5" at 12544.2,12933.3 h10 r270; PIN_NUMBER "D11" at 12776.6,13327.3 h10 r270; PIN_NUMBER "T5" at 12544.2,12854.5 h10 r270; PIN_NUMBER "C10" at 12737.2,13366.7 h10 r270; PIN_NUMBER "C11" at 12776.6,13366.7 h10 r270; PIN_NUMBER "D10" at 12737.2,13327.3 h10 r270; PIN_NUMBER "R3" at 12465.4,12893.9 h10 r270; PIN_NUMBER "C9" at 12701.8,13366.7 h10 r270; PIN_NUMBER "A10" at 12737.2,13445.5 h10 r270; PIN_NUMBER "B10" at 12737.2,13406.1 h10 r270; PIN_NUMBER "D16" at 12973.6,13327.3 h10 r270; PIN_NUMBER "B11" at 12776.6,13406.1 h10 r270; PIN_NUMBER "C12" at 12816,13366.7 h10 r270; PIN_NUMBER "B15" at 12934.2,13406.1 h10 r270; PIN_NUMBER "B12" at 12816,13406.1 h10 r270; PIN_NUMBER "D12" at 12816,13327.3 h10 r270; PIN_NUMBER "E13" at 12855.4,13287.9 h10 r270; PIN_NUMBER "A9" at 12701.8,13445.5 h10 r270; PIN_NUMBER "A11" at 12776.6,13445.5 h10 r270; PIN_NUMBER "L13" at 12855.4,13051.5 h10 r270; PIN_NUMBER "C14" at 12894.8,13366.7 h10 r270; PIN_NUMBER "D9" at 12701.8,13327.3 h10 r270; PIN_NUMBER "E16" at 12973.6,13287.9 h10 r270; PIN_NUMBER "A8" at 12662.4,13445.5 h10 r270; PIN_NUMBER "C13" at 12855.4,13366.7 h10 r270; PIN_NUMBER "F13" at 12855.4,13248.5 h10 r270; PIN_NUMBER "G1" at 12386.6,13209.1 h10 r270; PIN_NUMBER "F15" at 12934.2,13248.5 h10 r270; PIN_NUMBER "F14" at 12894.8,13248.5 h10 r270; PIN_NUMBER "E15" at 12934.2,13287.9 h10 r270; PIN_NUMBER "E14" at 12894.8,13287.9 h10 r270; PIN_NUMBER "D7" at 12623,13327.3 h10 r270; PIN_NUMBER "P1" at 12386.6,12933.3 h10 r270; PIN_NUMBER "K2" at 12426,13090.9 h10 r270; PIN_NUMBER "A14" at 12894.8,13445.5 h10 r270; PIN_NUMBER "B8" at 12662.4,13406.1 h10 r270; PIN_NUMBER "B14" at 12894.8,13406.1 h10 r270; PIN_NUMBER "T4" at 12504.8,12854.5 h10 r270; PIN_NUMBER "A13" at 12855.4,13445.5 h10 r270; PIN_NUMBER "M4" at 12504.8,13012.1 h10 r270; PIN_NUMBER "L15" at 12934.2,13051.5 h10 r270; PIN_NUMBER "A6" at 12583.6,13445.5 h10 r270; PIN_NUMBER "L14" at 12894.8,13051.5 h10 r270; PIN_NUMBER "R2" at 12426,12893.9 h10 r270; PIN_NUMBER "K16" at 12973.6,13090.9 h10 r270; PIN_NUMBER "K4" at 12504.8,13090.9 h10 r270; PIN_NUMBER "K13" at 12855.4,13090.9 h10 r270; PIN_NUMBER "J14" at 12894.8,13130.3 h10 r270; PIN_NUMBER "L4" at 12504.8,13051.5 h10 r270; PIN_NUMBER "H15" at 12934.2,13169.7 h10 r270; PIN_NUMBER "C4" at 12504.8,13366.7 h10 r270; PIN_NUMBER "D8" at 12662.4,13327.3 h10 r270; PIN_NUMBER "R11" at 12776.6,12893.9 h10 r270; PIN_NUMBER "T11" at 12776.6,12854.5 h10 r270; PIN_NUMBER "P10" at 12737.2,12933.3 h10 r270; PIN_NUMBER "D5" at 12544.2,13327.3 h10 r270; PIN_NUMBER "P7" at 12623,12933.3 h10 r270; PIN_NUMBER "T8" at 12662.4,12854.5 h10 r270; PIN_NUMBER "E1" at 12386.6,13287.9 h10 r270; PIN_NUMBER "H4" at 12504.8,13169.7 h10 r270; PIN_NUMBER "F3" at 12465.4,13248.5 h10 r270; ASSEMBLY_TOP "OMAPL137AZKB3" at 12688.6,12744.5 h40; ASSEMBLY_TOP "TOL" at 12722.6,12742.5 h40; ASSEMBLY_TOP "PART#" at 12678.6,12743.5 h40
U2: PIN_NUMBER "11" at 11129.4,13717.6 h20 r90; PIN_NUMBER "10" at 11155,13717.6 h20 r90; PIN_NUMBER "14" at 11052.6,13717.6 h20 r90; PIN_NUMBER "13" at 11078.2,13717.6 h20 r90; PIN_NUMBER "9" at 11188.6,13717.6 h20 r90; PIN_NUMBER "8" at 11181.6,13471.4 h20; PIN_NUMBER "12" at 11103.8,13717.6 h20 r90; PIN_NUMBER "3" at 11053.6,13471.4 h20; PIN_NUMBER "5" at 11104.8,13471.4 h20; PIN_NUMBER "2" at 11028,13471.4 h20; PIN_NUMBER "16" at 11001.4,13717.6 h20 r90; PIN_NUMBER "6" at 11130.4,13471.4 h20; PIN_NUMBER "7" at 11156,13471.4 h20; PIN_NUMBER "4" at 11079.2,13471.4 h20; PIN_NUMBER "15" at 11027,13717.6 h20 r90; PIN_NUMBER "1" at 11002.4,13471.4 h20; ASSEMBLY_TOP "SN74CBTLV3257PW" at 11067,13620 h40; ASSEMBLY_TOP "X" at 11102,13620 h40; ASSEMBLY_TOP "X" at 11137,13620 h40; SYMB_DIM "PAD 14X70 OV" at 10855,13060 h40; SYMB_DIM "TSSOP16-14X70" at 10825,14050 h40; SYMB_DIM "0" at 11080,13325 h40; SYMB_DIM "0" at 10732,13580 h40
U3: PIN_NUMBER "12" at 11757.8,13035 h10; PIN_NUMBER "6" at 11608.2,13035 h10; PIN_NUMBER "10" at 11706.6,13035 h10; PIN_NUMBER "5" at 11582.6,13035 h10; PIN_NUMBER "9" at 11685,13035 h10; PIN_NUMBER "8" at 11659.4,13035 h10; PIN_NUMBER "17" at 11655.4,13265 h10; PIN_NUMBER "3" at 11531.4,13035 h10; PIN_NUMBER "22" at 11527.4,13265 h10; PIN_NUMBER "4" at 11557,13035 h10; PIN_NUMBER "21" at 11553,13265 h10; PIN_NUMBER "1" at 11480.2,13035 h10; PIN_NUMBER "13" at 11757.8,13265 h10; PIN_NUMBER "24" at 11476.2,13265 h10; PIN_NUMBER "14" at 11732.2,13265 h10; PIN_NUMBER "11" at 11732.2,13035 h10; PIN_NUMBER "15" at 11706.6,13265 h10; PIN_NUMBER "7" at 11633.8,13035 h10; PIN_NUMBER "18" at 11629.8,13265 h10; PIN_NUMBER "16" at 11681,13265 h10; PIN_NUMBER "19" at 11604.2,13265 h10; PIN_NUMBER "20" at 11578.6,13265 h10; PIN_NUMBER "23" at 11501.8,13265 h10; PIN_NUMBER "2" at 11505.8,13035 h10; ASSEMBLY_TOP "SN74CBTLV3384PW" at 11590.8,13030 h40; ASSEMBLY_TOP "X" at 11615.8,13030 h40; ASSEMBLY_TOP "X" at 11637.8,13035 h40
U4: PIN_NUMBER "3" at 11305,13034.4 h40 r270; PIN_NUMBER "4" at 11383,13034.4 h40 r270; PIN_NUMBER "5" at 11383,13085.6 h40 r270; PIN_NUMBER "1" at 11305,13085.6 h40 r270; PIN_NUMBER "2" at 11305,13060 h40 r270; ASSEMBLY_TOP "PART#" at 11239.1,13176.1 h40.2 r270; ASSEMBLY_TOP "TOL" at 11445.8,13115.9 h40.2 r270; ASSEMBLY_TOP "SN74LVC1G32DCKRG4" at 11400.9,13161.2 h40.2 r270; SYMB_DIM "0" at 11345,12975 h29.9 r270; SYMB_DIM "0" at 11469.8,13075 h29.9 r270
U5: PIN_NUMBER "3" at 11305,13169.4 h40 r270; PIN_NUMBER "2" at 11305,13195 h40 r270; PIN_NUMBER "4" at 11383,13169.4 h40 r270; PIN_NUMBER "5" at 11383,13220.6 h40 r270; PIN_NUMBER "1" at 11305,13220.6 h40 r270; ASSEMBLY_TOP "PART#" at 11239.1,13311.1 h40.2 r270; ASSEMBLY_TOP "TOL" at 11445.8,13250.9 h40.2 r270; ASSEMBLY_TOP "SN74LVC1G00DCKRG4" at 11400.9,13296.2 h40.2 r270; SYMB_DIM "0" at 11345,13110 h29.9 r270; SYMB_DIM "0" at 11469.8,13210 h29.9 r270
U6: PIN_NUMBER "3" at 13359.6,14336 h40; PIN_NUMBER "1" at 13308.4,14336 h40; PIN_NUMBER "4" at 13359.6,14414 h40; PIN_NUMBER "2" at 13334,14336 h40; PIN_NUMBER "5" at 13308.4,14414 h40; ASSEMBLY_TOP "PART#" at 13233.9,14254.1 h40.2; ASSEMBLY_TOP "TOL" at 13294.1,14460.8 h40.2; ASSEMBLY_TOP "SN74LVC1G08DCKRG4" at 13248.8,14415.9 h40.2; SYMB_DIM "0" at 13435,14360 h29.9; SYMB_DIM "0" at 13335,14484.8 h29.9
U7: PIN_NUMBER "3" at 13359.6,14136 h40; PIN_NUMBER "1" at 13308.4,14136 h40; PIN_NUMBER "5" at 13308.4,14214 h40; PIN_NUMBER "2" at 13334,14136 h40; PIN_NUMBER "4" at 13359.6,14214 h40; ASSEMBLY_TOP "PART#" at 13233.9,14054.1 h40.2; ASSEMBLY_TOP "TOL" at 13294.1,14260.8 h40.2; ASSEMBLY_TOP "SN74LVC1G02DCKR" at 13248.8,14215.9 h40.2; SYMB_DIM "0" at 13435,14160 h29.9; SYMB_DIM "0" at 13335,14284.8 h29.9